# Altium PCB TEBF0808ASCII.PcbDoc (part 7 of 10)
Units mm, origin at the board's own origin, x right, y up, seen from the top; angles counter-clockwise.
Board outline 170 x 170 mm, 16 copper layers (L 01, L 02 G, L 03 S, L 04 G, L 05 S, L 06 G, L 07 P, L 08 P, L 09 P, L 10 P, L 11 G, L 12 S, L 13 G, L 14 S, L 15 G, L 16), stack 1.774 mm thick; 609 components, 869 nets, 3941 pads, 2358 vias.
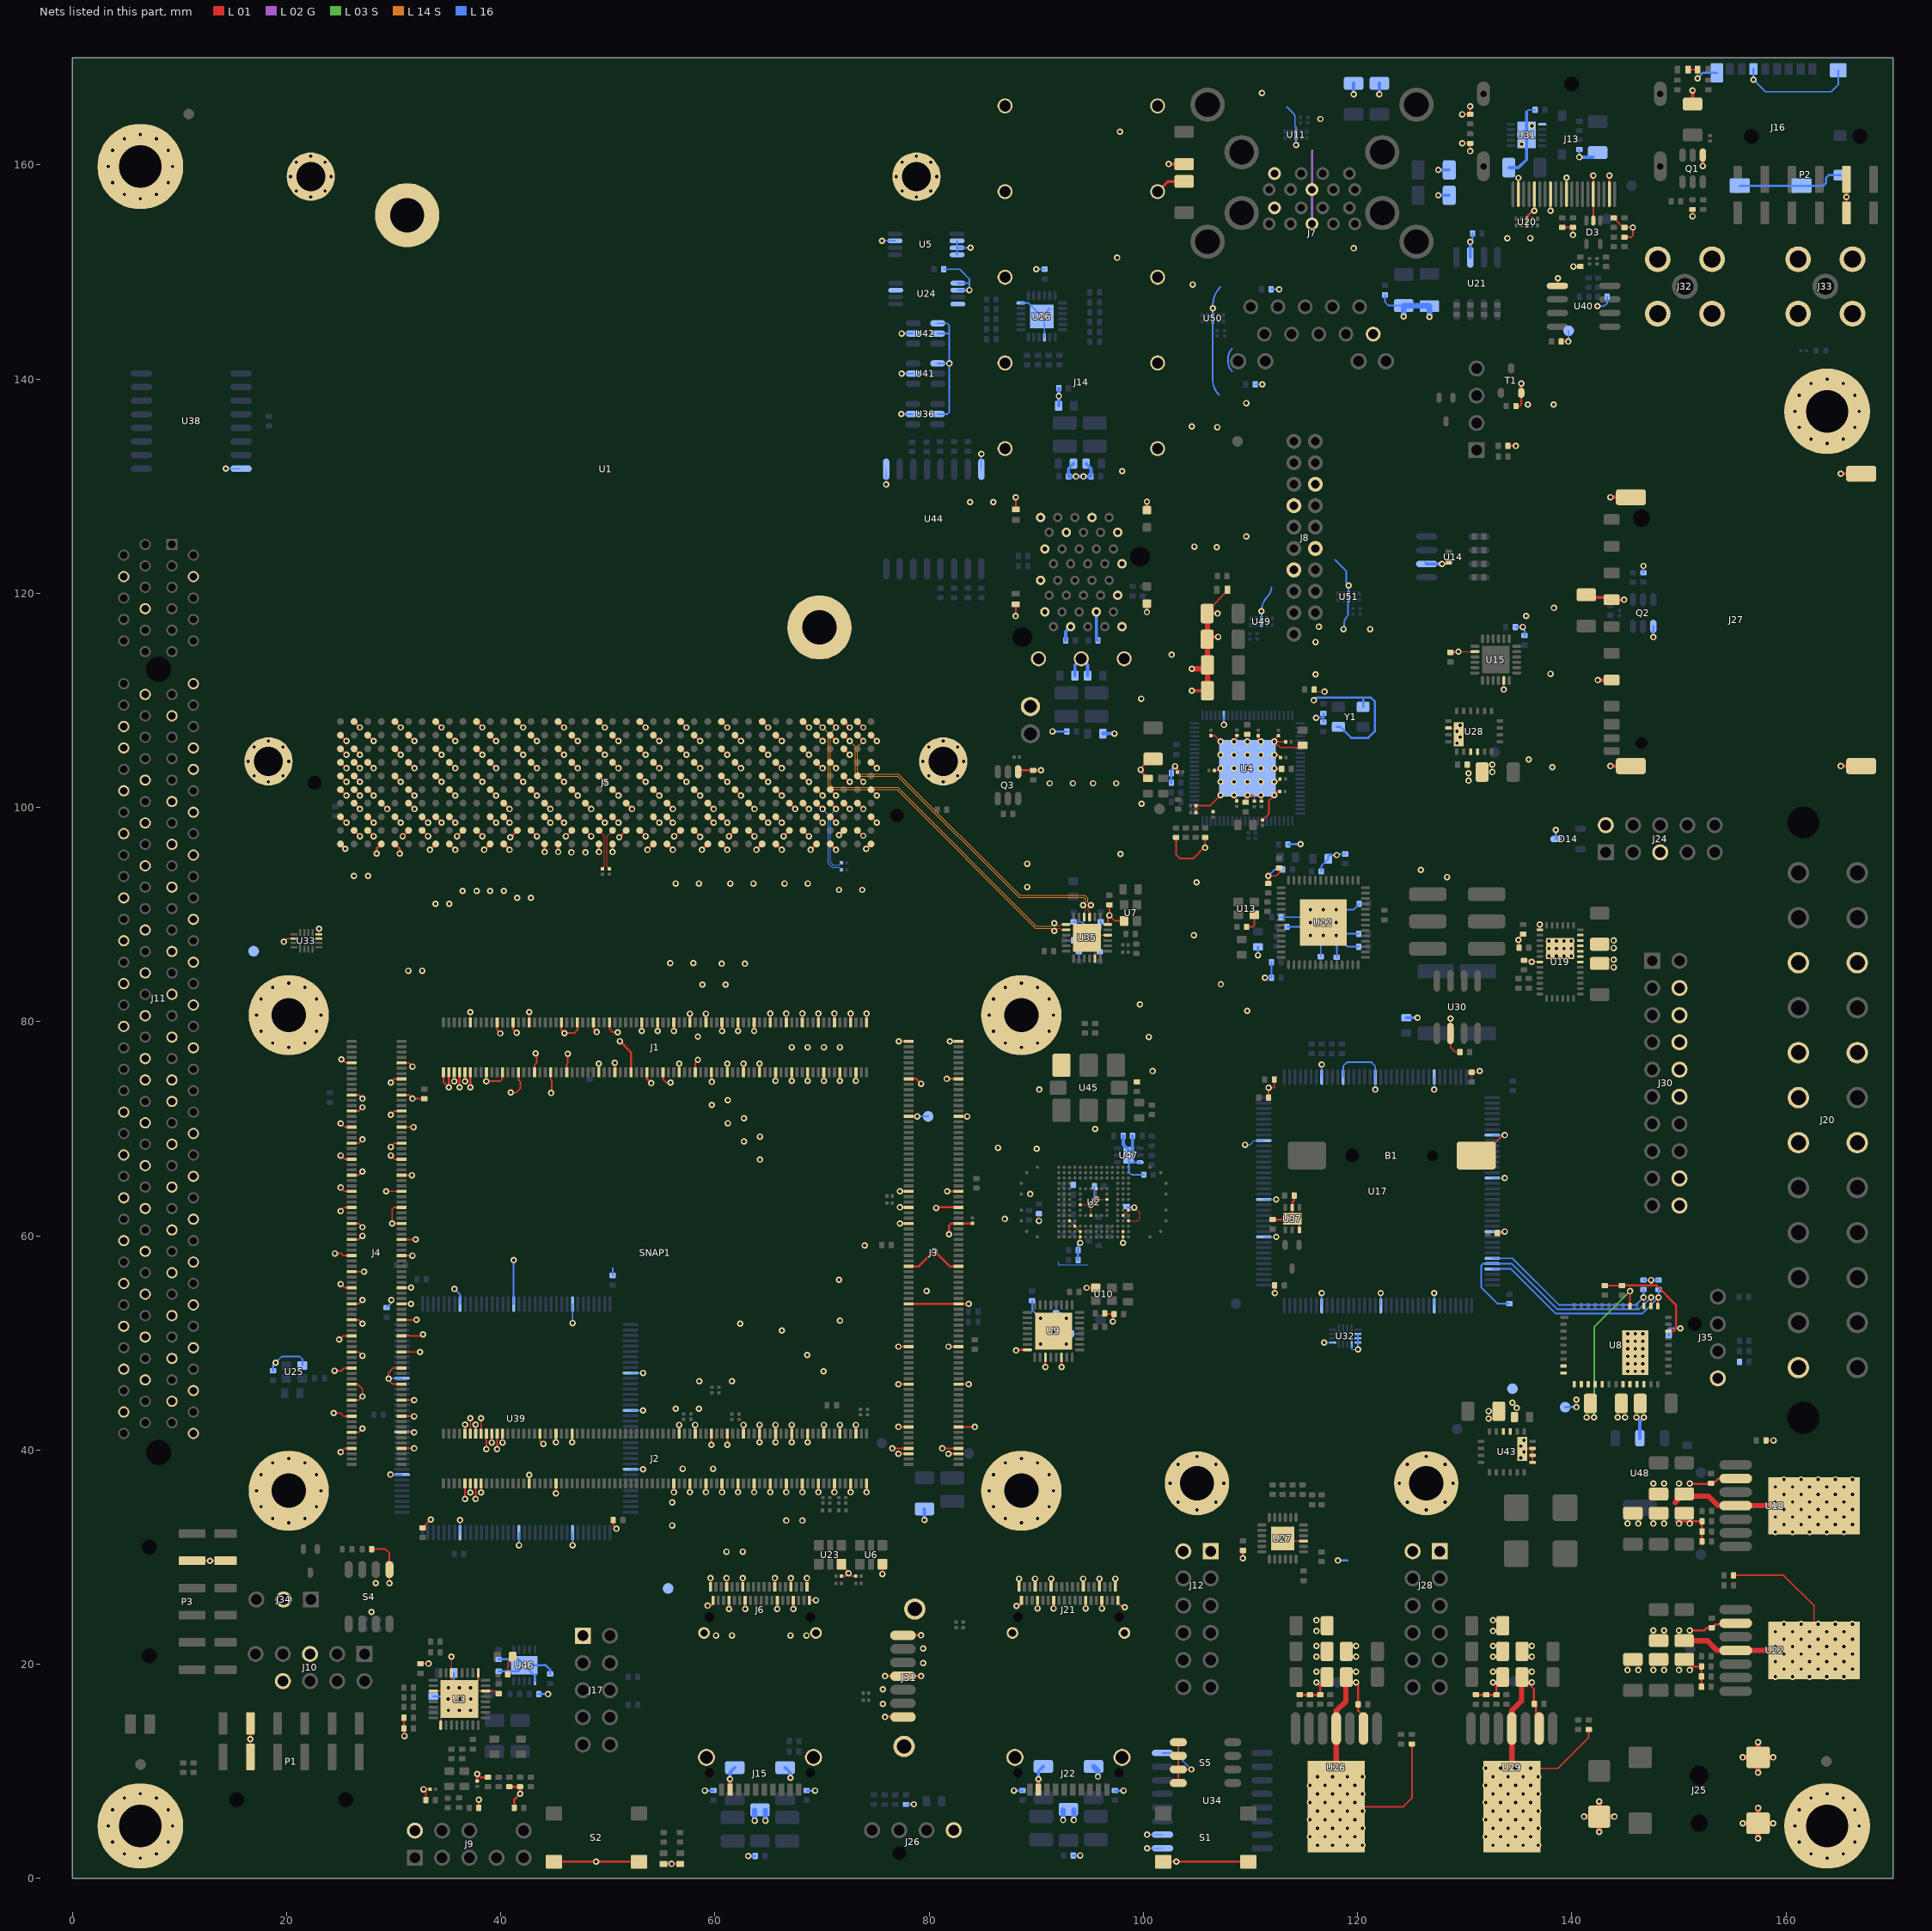
[diagram p17: the nets of this part, all layers, seen from the top]

## Via types
v1: diameter 0.6, hole 0.3, L 01 to L 16, 2358 vias

## Nets (pads, with @x,y where several pads share a name; then routed paths per layer and width w, separated by ;. In a path a pad name is that pad's centre, name@x,y a point inside that pad or via, vN(x,y) a via of type N, cw(c..) or ccw(c..) an arc to the next point about the centre after c; other vN are vias at no path point) (continued)
FMC_VADJ: C98.1 J1.90 J1.120 J3.15 J3.16 J4.58 J4.69 J4.105 J4.106 J5.E39 J5.F40 J5.G39 J5.H40 TP3.1 U8.8 U8.9 U8.10 U8.11 U8.12 U8.13 U8.14 U8.36 U32.13 U33.14 | length 33.5
  L 01 w0.15: v1(19.75,87.45) 20.05,87.75 U33.14@20.675,87.75 ; J4.105@26.07,52.153 26.739,52.153 v1(27.086,51.806) ; J4.69@26.07,61.153 26.739,61.153 v1(27.086,60.806) ; v1(29.297,64.153) J4.58@30.74,64.153 ; J4.106@30.74,52.153 v1(32.128,52.153) ; J1.120@44.655,75.268 44.655,74.595 44.75,74.5 44.75,73.375 v1(44.7,73.325) ; U8.36@145.426,53.441 v1(145.426,54.833)
  L 01 w0.2: J5.F40@25.036,102.935 v1(25.585,102.386) ; J5.H40@25.036,105.475 v1(25.585,104.926) ; J5.E39@26.306,101.665 v1(26.855,101.116) ; J5.G39@26.306,104.205 v1(26.855,103.656) ; v1(51.125,78.175) 52.155,77.145 J1.90@52.155,75.268 ; J3.15@78.07,74.653 78.797,74.653 v1(79.25,74.2) ; v1(81.637,74.653) J3.16@82.74,74.653
  L 03 S w0.15: v1(142.076,43.051) 142.076,51.483 v1(145.426,54.833)
  L 16 w0.1: v1(116.875,50.025) U32.13@117.675,50.025
  L 16 w0.2: TP3.1@139.376,44.001 v1(140.426,44.001)
  other v1: 141.376,43.051 140.426,44.701
FMC_VID0: R186.1 U8.34 U17.139 | length 17.8
  L 01 w0.15: v1(146.701,54.251) 146.726,54.226 U8.34@146.726,53.441
  L 16 w0.15: U17.139@132.57,57.9 134.45,57.9 138.8,53.55 146,53.55 v1(146.701,54.251) 146.701,54.956 R186.1@146.676,54.981
FMC_VID1: R183.2 U8.33 U17.140 | length 24.3
  L 01 w0.15: U8.33@147.376,53.441 147.376,54.226 v1(147.401,54.251)
  L 16 w0.15: R183.2@134.175,53.655 133.07,53.655 131.525,55.2 131.525,57.2 131.725,57.4 U17.140@132.57,57.4 134.384,57.4 138.634,53.15 146.3,53.15 v1(147.401,54.251)
FMC_VID2: R185.1 U8.32 U17.141 | length 19.4
  L 01 w0.15: U8.32@148.026,53.441 148.026,54.176 v1(148.101,54.251)
  L 16 w0.15: U17.141@132.57,56.9 134.319,56.9 138.469,52.75 146.6,52.75 v1(148.101,54.251) R185.1@148.101,54.981
FMCCLK2_N: J5.K5 U35.14 | length 34.4
  L 01 w0.1: v1(91.675,88.465) 91.925,88.715 92.18,88.715 92.32,88.575 U35.14@92.785,88.575
  L 01 w0.2: J5.K5@69.486,108.015 v1(70.035,107.466)
  L 14 S w0.08: v1(70.035,107.466) 70.57,106.931 70.57,102.022 70.942,101.65 76.975,101.65 89.9,88.725 91.415,88.725 v1(91.675,88.465)
FMCCLK2_P: J5.K4 U35.13 | length 34.1
  L 01 w0.1: v1(91.675,89.185) 91.925,88.935 92.18,88.935 92.32,89.075 U35.13@92.785,89.075
  L 01 w0.2: J5.K4@70.756,108.015 v1(71.305,107.466)
  L 14 S w0.08: v1(71.305,107.466) 70.77,106.931 70.77,102.105 71.025,101.85 77.058,101.85 89.983,88.925 91.415,88.925 v1(91.675,89.185)
FMCCLK3_N: J5.J3 U35.10 | length 32.3
  L 01 w0.1: v1(94.365,90.875) 94.615,90.625 94.615,90.37 94.475,90.23 U35.10@94.475,89.765
  L 01 w0.2: J5.J3@72.026,106.745 v1(72.575,106.196)
  L 14 S w0.08: v1(72.575,106.196) 73.11,105.661 73.11,103.257 73.442,102.925 77.05,102.925 88.375,91.6 94.425,91.6 94.625,91.4 94.625,91.135 v1(94.365,90.875)
FMCCLK3_P: J5.J2 U35.9 | length 32.3
  L 01 w0.1: U35.9@94.975,89.765 94.975,90.23 94.835,90.37 94.835,90.625 v1(95.085,90.875)
  L 01 w0.2: J5.J2@73.296,106.745 v1(73.845,106.196)
  L 14 S w0.08: v1(73.845,106.196) 73.31,105.661 73.31,103.34 73.525,103.125 77.133,103.125 88.458,91.8 94.508,91.8 94.825,91.483 94.825,91.135 v1(95.085,90.875)
GBTCLK0_N: C121.2 J5.D4 | length 7.2
  L 01 w0.2: J5.D4@70.756,100.395 v1(71.305,99.846)
  L 16 w0.1: v1(71.305,99.846) 70.78,99.321 70.78,94.87 71.039,94.611 71.583,94.611 C121.2@71.798,94.826
GBTCLK0_P: C122.2 J5.D5 | length 7.5
  L 01 w0.2: J5.D5@69.486,100.395 v1(70.035,99.846)
  L 16 w0.1: v1(70.035,99.846) 70.56,99.321 70.56,94.778 70.948,94.391 71.583,94.391 C122.2@71.798,94.176
GBTCLK1_N: C123.2 J5.B20 | length 3.9
  L 01 w0.1: C123.2@50.13,94.265 49.911,94.484 49.911,97.33 J5.B20@50.436,97.855
GBTCLK1_P: C124.2 J5.B21 | length 3.9
  L 01 w0.1: J5.B21@49.166,97.855 49.691,97.33 49.691,94.471 C124.2@49.486,94.266
GND: B1.- C1.1 C2.2 C14.2 C16.1 C17.1 C18.2 C19.2 C20.2 C21.2 C22.2 C23.2 C24.2 C26.2 C27.2 C28.2 C29.2 C30.2 C31.2 C32.2 C33.1 C34.1 C35.1 C36.2 C37.2 C38.2 C39.2 C40.2 C41.1 C42.2 C43.2 C44.2 C45.2 C46.1 C47.2 C48.2 C49.2 C50.2 C51.2 C52.2 C53.2 C54.2 C57.2 C58.2 C59.2 C60.2 C61.2 C62.2 C63.2 C64.2 C65.1 C66.1 C67.2 C68.2 C71.2 C72.2 C73.2 C74.2 C75.2 C76.2 C77.2 C78.2 C79.1 C81.2 C82.2 C83.2 C84.2 C85.2 C86.1 C87.2 C88.2 C89.1 C91.1 C95.1 C96.2 C97.2 C98.2 C99.1 C100.1 C103.1 C104.1 C105.2 C106.1 C107.2 C108.2 C109.1 C110.2 C111.1 C112.1 C113.2 C114.1 C115.2 C116.2 C117.1 C118.2 C119.2 C120.2 C125.1 C126.1 C127.1 C128.2 C129.2 C130.2 C131.2 C132.2 C134.1 C136.2 C137.1 C138.2 C141.2 C142.2 C143.2 C144.2 C145.2 C146.2 C149.2 C153.2 C154.2 C156.1 C157.1 C158.1 C159.2 C160.2 C161.2 C162.2 C163.2 C164.2 C165.1 C166.2 C167.2 C168.2 C169.2 C171.2 C172.2 C173.2 C174.1 C175.2 C177.1 C178.1 C180.1 C181.1 C183.2 C184.1 C186.2 C187.2 C188.2 C189.2 C190.2 C191.2 C192.1 C193.2 C194.2 C195.2 C196.2 C198.2 C199.2 C204.2 C205.2 C206.2 C207.2 C208.1 C210.1 C212.1 C214.1 C215.1 C216.2 C217.1 C220.1 C224.1 C226.1 C228.1 C230.2 C231.1 C232.1 C234.1 C236.1 C239.2 C240.1 C255.1 C256.1 C257.2 C258.2 C259.2 C260.2 C261.2 D1.K D3.2 D4.K D5.K D6.K D7.K D8.K D9.K D10.K D11.2 D14.3 D17.K J1.1 J1.6 J1.7 J1.12 J1.13 J1.18 J1.19 J1.24 J1.25 J1.30 J1.31 J1.36 J1.37 J1.42 J1.43 J1.48 J1.49 J1.54 J1.55 J1.60 J1.61 J1.66 J1.67 J1.72 J1.73 J1.78 J1.79 J1.84 J1.85 J1.96 J1.97 J1.102 J1.103 J1.109 J1.114 J1.115 J1.126 J1.127 J1.132 J1.133 J1.138 J1.139 J1.144 J1.149 J1.150 J1.152 J1.154 J1.156 J1.158 J1.160 J2.2 J2.5 J2.8 J2.11 J2.14 J2.17 J2.20 J2.23 J2.26 J2.29 J2.32 J2.35 J2.38 J2.41 J2.44 J2.47 J2.50 J2.53 J2.56 J2.59 J2.62 J2.65 J2.68 J2.71 J2.74 J2.111 J2.117 J2.118 J2.123 J2.128 J2.137 J2.139 J2.141 J2.143 J2.145 J2.146 J2.147 J2.148 J2.149 J2.150 J2.151 J2.152 J3.1 J3.2 J3.29 J3.30 J3.57 J3.58 J3.63 J3.64 J3.69 J3.70 J3.85 J3.86 J3.99 J3.100 J3.115 J3.116 J3.129 J3.130 J3.145 J3.146 J3.153 J3.154 J3.155 J3.156 J4.9 J4.10 J4.16 J4.21 J4.22 J4.27 J4.28 J4.33 J4.34 J4.39 J4.40 J4.45 J4.46 J4.51 J4.52 J4.57 J4.63 J4.64 J4.70 J4.75 J4.76 J4.81 J4.82 J4.87 J4.93 J4.94 J4.99 J4.100 J4.111 J4.112 J4.117 J4.118 J4.123 J4.124 J4.129 J4.130 J4.135 J4.136 J4.141 J4.142 J4.147 J4.148 J4.153 J4.154 J5.A1 J5.A4 J5.A5 J5.A8 J5.A9 J5.A12 J5.A13 J5.A16 J5.A17 J5.A20 J5.A21 J5.A24 J5.A25 J5.A28 J5.A29 J5.A32 J5.A33 J5.A36 J5.A37 J5.A40 J5.B2 J5.B3 J5.B6 J5.B7 J5.B10 J5.B11 J5.B14 J5.B15 J5.B18 J5.B19 J5.B22 J5.B23 J5.B26 J5.B27 J5.B30 J5.B31 J5.B34 J5.B35 J5.B38 J5.B39 J5.C1 J5.C4 J5.C5 J5.C8 J5.C9 J5.C12 J5.C13 J5.C16 J5.C17 J5.C20 J5.C21 J5.C24 J5.C25 J5.C28 J5.C29 J5.C32 J5.C33 J5.C34 J5.C36 J5.C38 J5.C40 J5.D2 J5.D3 J5.D6 J5.D7 J5.D10 J5.D13 J5.D16 J5.D19 J5.D22 J5.D25 J5.D28 J5.D35 J5.D37 J5.D39 J5.E1 J5.E4 J5.E5 J5.E8 J5.E11 J5.E14 J5.E17 J5.E20 J5.E23 J5.E26 J5.E29 J5.E32 J5.E35 J5.E38 J5.E40 J5.F2 J5.F3 J5.F6 J5.F9 J5.F12 J5.F15 J5.F18 J5.F21 J5.F24 J5.F27 J5.F30 J5.F33 J5.F36 J5.F39 J5.G1 J5.G4 J5.G5 J5.G8 J5.G11 J5.G14 J5.G17 J5.G20 J5.G23 J5.G26 J5.G29 J5.G32 J5.G35 J5.G38 J5.G40 J5.H3 J5.H6 J5.H9 J5.H12 J5.H15 J5.H18 J5.H21 J5.H24 J5.H27 J5.H30 J5.H33 J5.H36 J5.H39 J5.J1 J5.J4 J5.J5 J5.J8 J5.J11 J5.J14 J5.J17 J5.J20 J5.J23 J5.J26 J5.J29 J5.J32 J5.J35 J5.J38 J5.J40 J5.K2 J5.K3 J5.K6 J5.K9 J5.K12 J5.K15 J5.K18 J5.K21 J5.K24 J5.K27 J5.K30 J5.K33 J5.K36 J5.K39 J6.A1 J6.A4 J6.A7 J6.A13 J6.A16 J6.A19 J6.B1 J6.B4 J6.B7 J6.B13 J6.B16 J6.B19 J6.F1 J6.F2 J7.10 J7.U4 J7.U7 J7.U13 J7.U16 J8.4 J8.7 J8.13 J8.16 J9.2 J10.5 J10.8 J11.A4 J11.A12 J11.A15 J11.A18 J11.A20 J11.A23 J11.A24 J11.A27 J11.A28 J11.A31 J11.A34 J11.A37 J11.A38 J11.A41 J11.A42 J11.A45 J11.A46 J11.A49 J11.A51 J11.A54 J11.A55 J11.A58 J11.A59 J11.A62 J11.A63 J11.A66 J11.A67 J11.A70 J11.A71 J11.A74 J11.A75 J11.A78 J11.A79 J11.A82 J11.B4 J11.B7 J11.B13 J11.B16 J11.B18 J11.B21 J11.B22 J11.B25 J11.B26 J11.B29 J11.B32 J11.B35 J11.B36 J11.B39 J11.B40 J11.B43 J11.B44 J11.B47 J11.B49 J11.B52 J11.B53 J11.B56 J11.B57 J11.B60 J11.B61 J11.B64 J11.B65 J11.B68 J11.B69 J11.B72 J11.B73 J11.B76 J11.B77 J11.B80 J12.1 J12.2 J12.H1 J13.2 J13.5 J13.8 J13.11 J13.16 J13.19 J14.H0 J14.L1 J14.L10 J14.L11 J14.L14 J14.L17 J14.L20 J14.T1 J14.T10 J14.T11 J14.T14 J14.T17 J14.T20 J15.2 J15.F1 J15.F2 J16.6 J16.10 J16.G1 J16.G2 J16.G3 J16.G4 J17.1 J19.1 J20.3 J20.5 J20.7 J20.15 J20.17 J20.18 J20.19 J20.24 J21.A1 J21.A4 J21.A7 J21.A13 J21.A16 J21.A19 J21.B1 J21.B4 J21.B7 J21.B13 J21.B16 J21.B19 J21.F1 J21.F2 J22.2 J22.F1 J22.F2 J24.2 J24.5 J25.2 J25.3 J26.1 J27.3 J27.6 J27.12 J28.1 J28.2 J28.H1 J30.4 J30.6 J30.8 J30.10 J30.12 J30.18 J30.20 J31.1 J31.4 J31.7 J31.F1 J31.F2 J32.2 J32.3 J32.4 J32.5 J33.2 J33.3 J33.4 J33.5 J34.2 J35.1 M1.1 M1.2 P1.5 P1.11 P2.5 P2.11 P3.5 P3.11 pad.C pad.F pad.H pad.J Q1.1 Q2.1 Q3.1 R1.1 R6.1 R9.2 R10.1 R15.2 R16.2 R22.2 R23.2 R34.1 R35.1 R36.2 R39.2 R41.1 R42.2 R43.1 R44.1 R47.1 R48.2 R49.2 R52.2 R54.2 R56.2 R58.2 R67.2 R77.1 R79.2 R82.1 R85.1 R88.1 R98.2 R125.1 R137.2 R139.2 R143.2 R152.2 R153.1 R157.1 R159.1 R162.1 R163.1 R164.1 R169.1 R171.2 R185.2 R186.2 R190.2 R193.1 R195.1 R198.2 R200.1 R204.2 S1.1 S2.1 S4.1 S5.1 S5.2 S5.3 S5.4 SNAP1.1 SNAP1.2 SNAP1.3 SNAP1.4 T1.2 TP28.1 TP29.1 TP30.1 TP31.1 TP32.1 U1.3 U1.4 U1.5 U1.6 U2.AA4 U2.AA6 U2.K4 U2.L3 U2.M1 U2.M2 U2.M7 U2.P5 U2.R10 U2.U8 U2.Y1 U2.Y2 U2.Y5 U3.3 U3.9 U3.22 U3.25 U3.30 U3.33 U4.50 U4.89 U5.2 U5.3 U5.4 U5.7 U6.3 U7.2 U8.17 U8.18 U8.19 U8.20 U8.29 U8.45 U9.8 U9.11 U9.14 U9.33 U10.2 U11.3 U12.57 U13.2 U14.6 U15.2 U15.11 U16.9 U16.18 U16.25 U17.8 U17.18 U17.29 U17.46 U17.53 U17.64 U17.80 U17.84 U17.90 U17.101 U17.116 U17.124 U17.134 U18.2 U18.4 U18.8 U19.13 U19.14 U19.15 U19.16 U19.17 U19.18 U19.26 U19.32 U19.39 U20.3 U21.6 U22.2 U22.4 U22.8 U23.3 U24.1 U24.2 U24.4 U24.7 U25.2 U26.2 U26.4 U26.8 U27.9 U27.25 U28.3 U28.4 U28.18 U28.21 U29.2 U29.4 U29.8 U30.2 U31.6 U31.11 U32.6 U32.7 U32.8 U32.9 U33.7 U33.8 U34.1 U34.2 U34.8 U35.4 U35.6 U35.23 U35.25 U36.2 U36.5 U37.3 U37.5 U37.7 U38.8 U39.8 U39.18 U39.29 U39.46 U39.53 U39.64 U39.80 U39.90 U39.101 U39.116 U39.124 U39.134 U40.5 U41.2 U41.4 U42.2 U42.4 U42.5 U43.3 U43.4 U43.17 U43.18 U43.19 U43.21 U44.1 U44.8 U45.3 U46.6 U46.11 U47.3 U47.7 U48.2 U49.3 U50.3 U51.3 Y1.2 Y1.4 | length 1158.2
  L 01 w0.1: v1(3.35,4.9) 3.35,5.998 v1(3.752,6.4) v1(4.85,7.498) 5.252,7.9 8.252,4.9 8.252,4.096 6.35,2.194 pad.H@3.597,4.947 ; v1(3.35,159.84) 3.35,160.938 v1(3.752,161.34) v1(4.85,162.438) 5.252,162.84 8.252,159.84 8.252,159.036 6.35,157.134 pad.C@3.597,159.887 ; v1@14.3,131.61 v1(14.32,131.63) ; v1(17.205,36.203) 17.205,37.301 v1(17.607,37.703) v1(18.705,38.801) 19.107,39.203 22.107,36.203 22.107,35.399 20.205,33.497 SNAP1.2@17.5,36.203 ; v1(17.607,82.103) v1(17.607,79.103) v1(18.705,78.005) v1(21.705,78.005) v1(22.803,79.103) v1(22.803,82.103) v1(21.705,83.201) v1(18.705,83.201) ; U33.7@23.025,87.75 U33.8@23.025,88.15 v1(23.025,88.675) ; U3.30@35.39,19.19 v1(35.39,20.7) ; v1(37.15,80.889) 37.155,80.895 J1.149@37.155,79.938 ; v1(75.115,98.576) v1@75.291,98.4 ; v1(75.98,130.145) v1@76,130.125 ; v1@84.85,133.025 v1(84.87,133.005) ; v1(85.605,36.203) 85.605,37.301 v1(86.007,37.703) v1(87.105,38.801) 87.507,39.203 90.507,36.203 90.507,35.399 88.605,33.497 SNAP1.1@85.852,36.25 ; v1(85.605,80.603) 85.605,81.701 v1(86.007,82.103) v1(87.105,83.201) 87.507,83.603 90.507,80.603 90.507,79.799 88.605,77.897 SNAP1.4@87.4,79.103 ; U2.K4@93.1,61.4 U2.L3@93.6,60.9 U2.M2@94.1,60.4 U2.M1@94.1,59.9 v1(94.1,59.35) ; U2.M7@94.1,62.9 v1(95.1,62.9) U2.P5@95.1,61.9 ; U35.23@95.475,85.885 95.475,87.075 U35.25@94.725,87.825 94.975,88.075 U35.4@96.665,88.075 ; U2.R10@95.6,64.4 v1(95.6,63.4) U2.U8@96.6,63.4 ; v1(98.1,59.35) U2.Y1@98.1,59.9 U2.Y2@98.1,60.4 ; U2.Y5@98.1,61.9 U2.AA6@98.6,62.4 98.9,62.4 v1(99.15,62.65) 99.65,62.15 99.65,61.6 99.45,61.4 U2.AA4@98.6,61.4 ; v1@100.325,2.795 v1(100.345,2.815) ; v1@100.325,4.065 v1(100.345,4.085) ; 103.205,4.085 103.225,4.105 ; R1.1@115.945,111 116.145,110.8 v1(116.9,110.8) ; U28.18@128.475,107.425 129.4,107.425 129.425,107.4 U28.21@129.425,106.825 U28.21@129.375,106.775 ; v1(129.41,114.55) U15.2@130.95,114.55 ; v1(133.65,111) U15.11@133.65,111.85 ; v1(160.83,4.9) 160.83,5.998 v1(161.232,6.4) v1(162.33,7.498) 162.732,7.9 165.732,4.9 165.732,4.096 163.83,2.194 pad.J@161.077,4.947 ; v1(160.83,136.98) 160.83,138.078 v1(161.232,138.48) v1(162.33,139.578) 162.732,139.98 165.732,136.98 165.732,136.176 163.83,134.274 pad.F@161.077,137.027
  L 01 w0.15: P3.11@11.185,29.66 v1(12.835,29.66) P3.5@14.315,29.66 ; P1.11@16.62,11.35 v1(16.62,13) P1.5@16.62,14.48 ; v1(24.4,43.45) 25.025,43.45 25.322,43.153 J4.141@26.07,43.153 ; v1(24.476,47.402) 25.127,47.402 25.378,47.653 J4.123@26.07,47.653 ; v1(24.5,58.35) 25.125,58.35 25.322,58.153 J4.81@26.07,58.153 ; v1(24.908,50.323) 25.238,50.653 J4.111@26.07,50.653 ; v1(25.055,39.806) 25.402,40.153 J4.153@26.07,40.153 ; v1(25.055,55.5) 25.402,55.153 J4.93@26.07,55.153 ; v1(25.055,62.306) 25.402,62.653 J4.63@26.07,62.653 ; v1(25.055,64.5) 25.402,64.153 J4.57@26.07,64.153 ; v1(25.055,67.5) 25.402,67.153 J4.45@26.07,67.153 ; v1(25.055,70.5) 25.402,70.153 J4.33@26.07,70.153 ; v1(25.115,76.463) 25.194,76.463 25.504,76.153 J4.9@26.07,76.153 ; J4.147@26.07,41.653 26.739,41.653 v1(27.086,42) ; J4.135@26.07,44.653 26.739,44.653 v1(27.086,45) 27.086,45.714 26.647,46.153 J4.129@26.07,46.153 ; J4.117@26.07,49.153 26.739,49.153 v1(27.086,48.806) ; J4.99@26.07,53.653 26.739,53.653 v1(27.086,54) ; J4.87@26.07,56.653 v1(27.228,56.653) ; J4.75@26.07,59.653 26.739,59.653 v1(27.086,60) ; J4.51@26.07,65.653 26.739,65.653 v1(27.086,66) ; J4.39@26.07,68.653 26.739,68.653 v1(27.086,69) ; J4.27@26.07,71.653 26.739,71.653 v1(27.086,72) ; J4.21@26.07,73.153 26.739,73.153 v1(27.086,72.806) ; R88.1@27.945,30.75 29.225,30.75 29.605,30.37 S4.1@29.605,28.84 29.605,27.58 v1(29.6,27.575) ; v1(29.725,67.5) 30.072,67.153 J4.46@30.74,67.153 ; v1(29.725,68.306) 30.072,68.653 J4.40@30.74,68.653 ; v1(29.725,71.306) 30.072,71.653 J4.28@30.74,71.653 ; v1(29.725,74.306) 30.072,74.653 J4.16@30.74,74.653 ; J4.154@30.74,40.153 31.811,40.153 v1@31.915,40.049 ; J4.148@30.74,41.653 31.811,41.653 v1@31.915,41.549 ; J4.142@30.74,43.153 31.811,43.153 v1@31.915,43.049 ; J4.136@30.74,44.653 31.811,44.653 v1@31.915,44.549 ; J4.130@30.74,46.153 29.897,46.153 29.526,46.524 v1(29.526,46.652) 29.526,47.226 29.953,47.653 J4.124@30.74,47.653 ; J4.118@30.74,49.153 v1(32.472,49.153) ; J4.112@30.74,50.653 32.603,50.653 v1(32.75,50.8) ; J4.100@30.74,53.653 v1@31.603,53.653 ; J4.94@30.74,55.153 31.602,55.153 v1(31.627,55.178) ; J4.82@30.74,58.153 v1(31.753,58.153) ; J4.76@30.74,59.653 v1(32.047,59.653) ; J4.70@30.74,61.153 v1(29.853,61.153) 29.853,62.478 30.028,62.653 J4.64@30.74,62.653 ; J4.52@30.74,65.653 v1(31.697,65.653) ; J4.34@30.74,70.153 v1(31.847,70.153) ; J4.22@30.74,73.153 31.409,73.153 v1(31.756,72.806) ; J4.10@30.74,76.153 31.409,76.153 v1(31.756,75.806) ; C64.2@30.95,15 C53.2@30.95,14 30.95,13.35 v1(31,13.3) ; v1@31.757,72.805 R190.2@32.85,72.805 ; C144.2@32.7,32.73 v1(33.47,33.5) ; R22.2@33.005,7.325 33.005,8.12 v1(32.8,8.325) C16.1@33.4,8.325 ; U3.3@33.7,17.5 U3.33@35.39,17.5 ; U3.9@34.39,14.31 34.39,15 v1(36.14,16.75) ; J1.160@34.655,75.268 34.655,74.355 v1(35.155,73.855) ; U3.30@35.39,19.19 U3.33@35.39,17.5 ; v1(35.655,74.435) J1.156@35.655,75.268 ; v1(36.655,35.425) J2.152@36.655,36.868 ; J2.151@36.655,41.538 v1(36.655,42.37) ; v1(36.655,74.435) J1.152@36.655,75.268 ; v1(37.155,36.035) J2.150@37.155,36.868 ; J2.149@37.155,41.538 v1(37.155,42.981) ; v1(37.655,35.425) J2.148@37.655,36.868 ; J2.147@37.655,41.538 v1(37.655,42.37) ; U3.25@37.89,19.19 37.89,18.5 U3.33@36.89,17.5 ; R34.1@37.945,6.6 v1(37.945,7.345) ; v1(38.155,36.035) J2.146@38.155,36.868 ; J2.145@38.155,41.538 v1(38.155,42.981) ; v1(38.655,40.095) J2.143@38.655,41.538 ; J1.144@38.655,75.268 v1(38.655,74.435) 39.935,74.435 40.155,74.655 J1.138@40.155,75.268 ; v1(39.155,40.705) J2.141@39.155,41.538 ; v1(39.655,40.095) J2.139@39.655,41.538 ; J1.139@39.655,79.938 39.655,79.195 v1(39.95,78.9) ; C54.2@39.8,17.25 39.55,17.5 U3.22@38.58,17.5 U3.33@36.89,17.5 ; v1(40.155,40.705) J2.137@40.155,41.538 ; C24.2@40.65,19.1 40.65,19.75 40.7,19.8 40.7,20.2 C20.2@41.11,20.61 ; v1(40.925,73.375) 41.45,73.375 41.825,73.75 41.825,74.375 41.655,74.545 J1.132@41.655,75.268 ; J1.133@41.155,79.938 41.155,79.27 v1(41.475,78.95) ; J2.128@42.655,36.868 v1(42.655,37.678) ; J1.127@42.655,79.938 v1(42.655,80.895) ; J1.126@43.155,75.268 43.155,75.938 43.35,76.133 43.35,76.931 v1(43.252,77.029) ; J2.123@43.655,41.538 43.655,40.895 v1(43.973,40.578) ; v1(45.155,35.948) J2.118@45.155,36.868 ; v1(45.155,40.728) J2.117@45.155,41.538 ; J1.115@45.655,79.938 45.655,79.226 v1(45.952,78.929) 46.854,78.929 47.155,79.23 J1.109@47.155,79.938 ; J1.114@46.155,75.268 46.155,76.005 46.25,76.1 v1(46.25,77) ; v1(46.655,40.728) J2.111@46.655,41.538 ; J1.103@48.655,79.938 48.655,79.326 v1(48.952,79.029) ; J1.102@49.155,75.268 v1(49.155,76.078) ; v1@49.166,95.744 v1@49.17,95.74 ; J1.97@50.155,79.938 50.155,79.295 50.425,79.025 50.8,79.025 v1@50.925,78.9 ; v1@50.436,95.744 v1@50.44,95.74 ; C143.2@50.5,33.45 50.5,32.95 v1(50.8,32.65) ; v1(50.65,76.15) 50.655,76.145 J1.96@50.655,75.268 ; v1(53.155,79.128) J1.85@53.155,79.938 ; v1(54.655,79.128) J1.79@54.655,79.938 ; J1.78@55.155,75.268 55.155,74.595 55.45,74.3 v1(55.85,74.3) ; v1(56.155,36.058) J2.74@56.155,36.868 ; v1(56.155,79.128) J1.73@56.155,79.938 ; v1(56.65,42.35) 56.655,42.344 J2.71@56.655,41.538 ; J1.72@56.655,75.268 v1(56.655,76.078) ; v1(57.655,36.058) J2.68@57.655,36.868 ; J1.67@57.655,79.938 v1(57.655,80.745) ; v1(58.15,42.35) 58.155,42.344 J2.65@58.155,41.538 ; J1.66@58.155,75.268 58.155,76.185 v1(58.4,76.43) ; v1(59.155,36.058) J2.62@59.155,36.868 ; J1.61@59.155,79.938 v1(59.155,80.745) ; J6.A1@59.585,27.225 v1(59.585,28.035) ; v1(59.655,40.478) J2.59@59.655,41.538 ; v1(60.655,36.058) J2.56@60.655,36.868 ; v1(60.655,79.128) J1.55@60.655,79.938 ; J6.A4@61.085,27.225 v1(61.085,28.035) ; v1(61.155,40.478) J2.53@61.155,41.538 ; J1.54@61.155,75.268 v1(61.155,76.078) ; v1(61.315,25.165) J6.B4@61.315,25.975 ; v1(62.155,36.058) J2.50@62.155,36.868 ; v1(62.155,79.128) J1.49@62.155,79.938 ; J6.A7@62.585,27.225 v1(62.585,28.035) ; J2.47@62.655,41.538 v1(62.655,42.348) ; J1.48@62.655,75.268 v1(62.655,76.078) ; v1(62.815,25.165) J6.B7@62.815,25.975 ; v1(63.655,36.058) J2.44@63.655,36.868 ; v1(63.655,79.128) J1.43@63.655,79.938 ; v1(64.155,40.728) J2.41@64.155,41.538 v1(64.155,42.348) ; J1.42@64.155,75.268 v1(64.155,76.078) ; v1(65.155,36.058) J2.38@65.155,36.868 ; J1.37@65.155,79.938 v1(65.155,80.748) ; J6.A13@65.585,27.225 v1(65.585,28.035) ; v1(65.655,40.728) J2.35@65.655,41.538 v1(65.655,42.348) ; v1(65.655,74.458) J1.36@65.655,75.268 ; v1(65.815,25.165) J6.B13@65.815,25.975 ; v1(66.655,36.058) J2.32@66.655,36.868 ; J1.31@66.655,79.938 v1(66.655,80.748) ; J6.A16@67.085,27.225 v1(67.085,28.035) ; v1(67.155,40.728) J2.29@67.155,41.538 v1(67.155,42.348) ; v1(67.155,74.458) J1.30@67.155,75.268 ; v1(67.315,25.165) J6.B16@67.315,25.975 ; v1(68.155,36.058) J2.26@68.155,36.868 ; J1.25@68.155,79.938 v1(68.155,80.748) ; J6.A19@68.585,27.225 v1(68.585,28.035) ; v1(68.655,40.728) J2.23@68.655,41.538 ; v1(68.655,74.458) J1.24@68.655,75.268 ; J6.B19@68.815,25.975 v1(69.425,25.975) ; v1(69.655,36.058) J2.20@69.655,36.868 ; J1.19@69.655,79.938 v1(69.655,80.748) ; J2.17@70.155,41.538 v1(70.155,42.348) ; v1(70.155,74.458) J1.18@70.155,75.268 ; v1(71.155,36.058) J2.14@71.155,36.868 ; J1.13@71.155,79.938 v1(71.155,80.748) ; J2.11@71.655,41.538 v1(71.655,42.348) ; v1(71.655,74.458) J1.12@71.655,75.268 ; U23.3@71.8,29.35 71.8,29.275 72.475,28.6 v1(72.475,28.5) ; C220.1@71.802,28.225 72.2,28.225 v1(72.475,28.5) ; v1(72.655,36.058) J2.8@72.655,36.868 ; J1.7@72.655,79.938 v1(72.655,80.748) ; C177.1@73.148,28.225 72.75,28.225 v1(72.475,28.5) ; J2.5@73.155,41.538 v1(73.155,42.348) ; v1(73.155,74.458) J1.6@73.155,75.268 ; v1(74.155,36.058) J2.2@74.155,36.868 ; J1.1@74.155,79.938 v1(74.155,80.748) ; v1(75.625,28.425) U6.3@75.625,29.35 ; v1(76.553,40.153) J3.153@78.07,40.153 ; v1(77.128,39.653) J3.155@78.07,39.653 ; v1(77.128,42.153) J3.145@78.07,42.153 ; v1(77.128,46.153) J3.129@78.07,46.153 ; v1(77.128,49.653) J3.115@78.07,49.653 ; v1(77.16,78.153) J3.1@78.07,78.153 ; v1(77.26,61.153) J3.69@78.07,61.153 ; v1(77.26,62.653) J3.63@78.07,62.653 ; v1(77.26,64.153) J3.57@78.07,64.153 ; J3.29@78.07,71.153 v1(78.88,71.153) ; v1(78.554,6.925) v1@78.575,6.925 ; v1(81.223,40.153) J3.154@82.74,40.153 ; v1(81.798,39.653) J3.156@82.74,39.653 ; v1(81.798,49.653) J3.116@82.74,49.653 ; v1(81.93,78.153) J3.2@82.74,78.153 ; J3.146@82.74,42.153 v1(84.258,42.153) ; J3.130@82.74,46.153 v1(83.683,46.153) ; J3.30@82.74,71.153 v1(83.55,71.153) ; v1(88.075,117.865) D1.K@88.075,118.97 ; D9.K@88.08,127.835 v1(88.08,128.94) ; v1(88.15,25.45) 88.4,25.45 88.615,25.665 J21.B1@88.615,25.975 ; J21.A1@88.385,27.225 v1(88.385,27.985) ; J21.A4@89.885,27.225 v1(89.885,27.985) ; v1(90.115,25.215) J21.B4@90.115,25.975 ; J21.A7@91.385,27.225 v1(91.385,27.985) ; v1(91.615,25.215) J21.B7@91.615,25.975 ; J21.A13@94.385,27.225 v1(94.385,27.985) ; v1(94.615,25.215) J21.B13@94.615,25.975 ; v1(94.7,55.15) U10.2@95.55,55.15 ; J21.A16@95.885,27.225 v1(95.885,27.985) ; v1(96.115,25.215) J21.B16@96.115,25.975 ; R9.2@96.245,52.7 97.15,52.7 v1(97.15,52) ; U35.6@96.665,89.075 96.665,89.765 v1(96.825,89.925) ; C175.2@96.825,90.9 v1(96.825,89.925) ; J21.A19@97.385,27.225 v1(97.385,27.985) ; U7.2@98.2,89.4 97.35,89.4 v1(96.825,89.925) ; v1(100.325,118.225) D8.K@100.325,119.03 ; D10.K@100.325,127.75 v1(100.325,128.555) ; v1(102.95,103.85) 103.17,103.63 C2.2@103.17,103.3 ; R79.2@103.05,97.205 103.05,95.6 103.425,95.225 104.625,95.225 105.76,96.36 R85.1@105.76,97.205 ; S5.4@103.26,8.905 S5.3@103.26,10.175 ; S5.1@103.26,12.715 S5.2@103.26,11.445 S5.3@103.26,10.175 ; v1(104.475,10.175) S5.3@103.26,10.175 ; C87.2@104.902,99.525 C88.2@104.902,100.175 106.235,100.175 v1(107.21,101.15) ; C85.2@105.95,118.1 105.95,118.325 107.85,120.225 D17.K@107.85,120.325 ; C212.1@106.3,106.698 106.662,106.698 v1(107.21,106.15) ; v1@106.45,146.625 v1(106.475,146.6) ; C95.1@106.627,103.45 107.01,103.45 v1(107.21,103.65) ; v1(108.46,101.15) 108.7,100.91 C226.1@108.7,100.602 ; v1(108.46,106.15) 108.725,106.415 C210.1@108.725,106.723 ; C208.1@109.55,100.475 109.55,100.99 v1(109.71,101.15) 110.175,101.15 110.364,100.961 C205.2@110.364,100.577 ; C26.2@109.625,88.85 110.25,88.85 110.35,88.95 U13.2@110.35,89.97 ; C224.1@110.725,106.698 110.725,106.385 v1(110.96,106.15) ; v1(110.96,101.15) 111.014,101.096 C206.2@111.014,100.58 ; C89.1@111.111,98.822 111.725,99.436 111.725,100.665 v1(112.21,101.15) 112.535,101.475 C91.1@112.723,101.475 ; v1(111.65,93.6) 112.4,93.6 112.675,93.875 C35.1@112.675,94.35 ; C162.2@111.68,72.9 v1(111.68,73.83) 112.22,73.83 R125.1@112.22,74.6 ; v1(112.21,102.4) 112.498,102.4 C234.1@112.748,102.65 ; v1(112.21,103.65) 112.26,103.6 C86.1@112.9,103.6 ; v1(112.21,104.9) 112.548,104.9 C236.1@112.798,104.65 ; C163.2@112.25,55.375 112.275,55.35 v1(112.275,54.65) ; C240.1@112.6,106.695 112.21,106.305 v1(112.21,106.15) v1@112.235,106.125 ; v1(113,31.75) 113.25,31.5 U27.9@114.95,31.5 ; C232.1@113.275,106.125 v1@112.235,106.125 ; C239.2@114.875,105.79 114.685,105.6 112.76,105.6 v1@112.235,106.125 ; U26.8@118,6.695 124.27,6.695 125.075,7.5 R157.1@125.075,12.555 ; C43.2@128.65,114.475 129.335,114.475 v1(129.41,114.55) ; v1(128.665,80.285) U30.2@128.665,78.9 128.665,77.585 129.1,77.15 C180.1@129.55,77.15 ; v1(129.765,162.005) R43.1@130.5,162.005 v1(130.5,161.27) ; v1(129.765,164.715) R44.1@130.5,164.715 v1(130.5,165.45) ; C164.2@130.65,75.27 131.27,75.27 v1(131.4,75.4) ; B1.-@131.07,67.5 131.675,67.5 133.575,69.4 v1(133.74,69.4) ; C161.2@133.05,60.25 133.59,60.25 v1(133.74,60.4) ; U29.8@134.4,6.695 134.4,8.538 136.137,10.275 138.7,10.275 141.575,13.15 R163.1@141.575,13.905 ; R169.1@134.77,137.475 135.15,137.475 135.275,137.6 T1.2@135.275,138.7 ; J13.2@135.004,157.237 v1(135.004,158.779) ; C81.2@135.075,86.9 135.075,87.655 135,87.73 R164.1@135.45,88.18 ; U43.21@135.424,40.151 U43.19@136.324,40.151 U43.18@136.324,39.501 U43.17@136.324,38.851 ; R52.2@135.525,85.72 136.105,85.72 v1(136.25,85.575) U19.32@137,85.575 ; v1(136.5,155.716) J13.5@136.5,157.258 ; U19.26@137,88.575 v1(137,89.075) ; v1(138,155.716) J13.8@138,157.258 ; C193.2@139.005,143.495 v1(139.655,143.495) ; R47.1@139.1,154.155 R49.2@140.1,154.155 v1(140.1,153.45) ; J13.11@139.5,157.258 v1(139.5,158.8) ; v1(140.15,150.505) R42.2@140.8,150.505 ; D3.2@142,154.8 J13.16@142,157.258 v1(142,159) ; R162.1@143.076,55.346 144.671,55.346 C100.1@144.676,55.351 ; J13.19@143.5,157.258 v1(143.5,159) ; R39.2@143.9,155.045 144.795,154.15 C97.2@144.9,154.15 ; R41.1@144.9,153.245 145.545,153.245 145.7,153.4 v1(145.7,154.15) 145.005,154.15 C97.2@144.9,154.045 ; D4.K@150.85,168.89 D5.K@151.74,168.89 v1(151.74,168.06) ; v1(151.275,155.2) R137.2@151.275,155.83 ; R153.1@155.095,28.3 159.775,28.3 162.605,25.47 U22.8@162.605,21.29 ; R152.2@158.12,40.9 v1(158.825,40.9) ; P2.5@165.635,155.51 v1(165.635,156.99) P2.11@165.635,158.64 ; U3.33@35.39,17.5 v1(36.14,16.75) ; v1(36.14,16.75) U3.33@36.89,17.5